# KiCad board ddr5-testboard.kicad_pcb (continued)
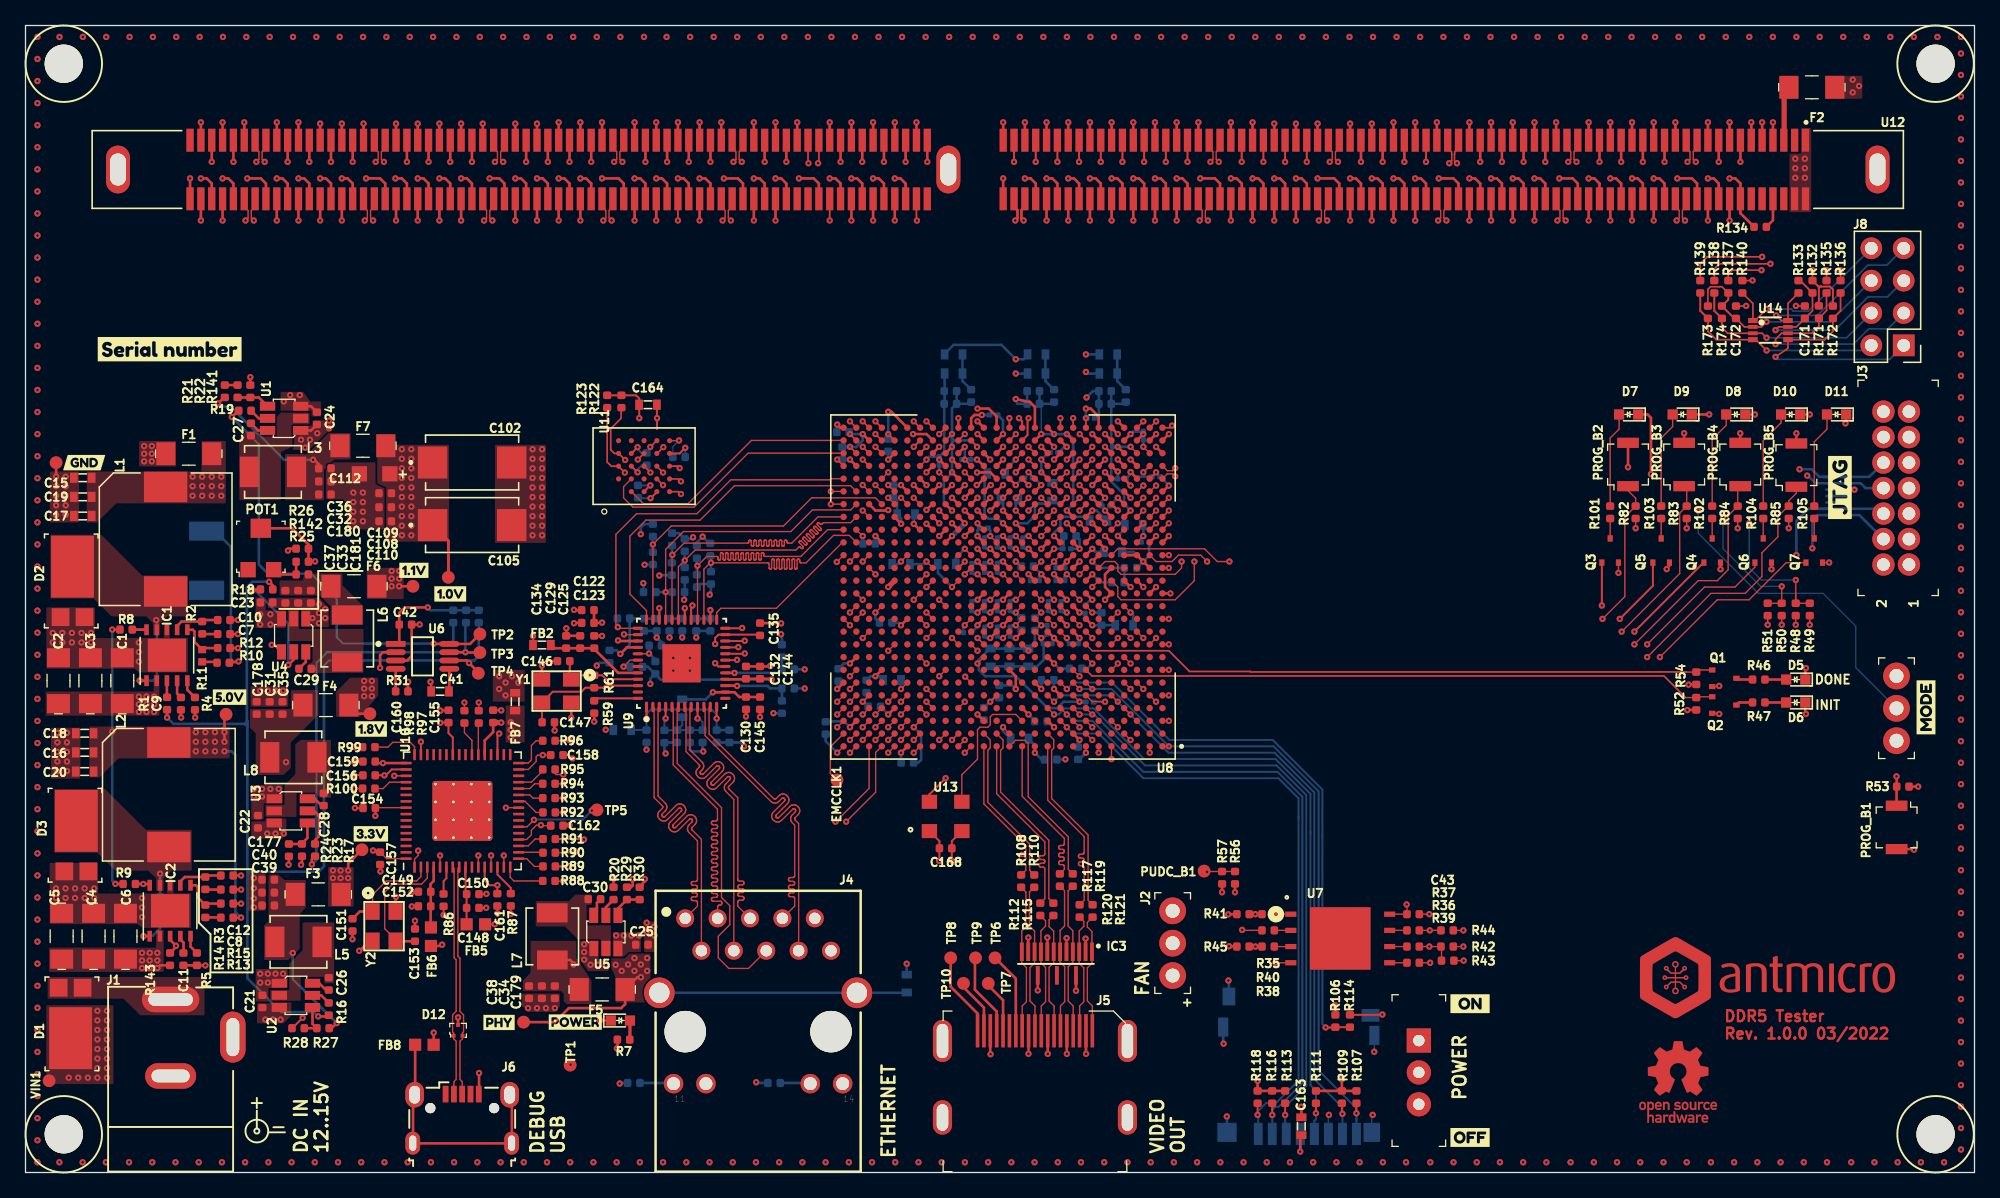
[diagram p0: board, top side]
## Routing (per net, layer and track width the routed paths; a pad name or vN(x,y) marks a point on that pad's centre or on a via; arc(x,y) is an arc through that point) (continued)
DQ7_B: length 57.1
  Top w0.127: U8.AF20 v4(69.64,58.94)
  Top w0.2: U12.254 v4(41.8,74.7)
  In2.Cu w0.127: v4(41.8,74.7) 41.8,74.2 41.8,74.17 41.79,74.14 41.77,74.12 41.75,74.1 41.73,74.09 41.7,74.08 41.67,74.07 41.54,74.07 41.51,74.07 41.48,74.06 41.46,74.05 41.44,74.03 41.42,74 41.41,73.97 41.41,73.95 41.41,73.92 41.42,73.89 41.44,73.87 41.46,73.85 41.48,73.83 41.51,73.82 41.54,73.82 42.06,73.82 42.09,73.82 42.12,73.81 42.14,73.79 42.16,73.77 42.18,73.75 42.19,73.72 42.19,73.69 42.19,73.66 42.18,73.64 42.16,73.61 42.14,73.59 42.12,73.58 42.09,73.57 42.06,73.56 41.54,73.56 41.51,73.56 41.48,73.55 41.46,73.54 41.44,73.52 41.42,73.49 41.41,73.47 41.41,73.44 41.41,73.41 41.42,73.38 41.44,73.36 41.46,73.34 41.48,73.32 41.51,73.31 41.54,73.31 42.06,73.31 42.09,73.31 42.12,73.3 42.14,73.28 42.16,73.26 42.18,73.24 42.19,73.21 42.19,73.18 42.19,73.16 42.18,73.13 42.16,73.1 42.14,73.08 42.12,73.07 42.09,73.06 42.06,73.06 41.54,73.06 41.51,73.05 41.48,73.04 41.46,73.03 41.44,73.01 41.42,72.99 41.41,72.96 41.41,72.93 41.41,72.9 41.42,72.87 41.44,72.85 41.46,72.83 41.48,72.82 41.51,72.81 41.54,72.8 42.06,72.8 42.09,72.8 42.12,72.79 42.14,72.78 42.16,72.76 42.18,72.73 42.19,72.7 42.19,72.68 42.19,72.65 42.18,72.62 42.16,72.6 42.14,72.58 42.12,72.56 42.09,72.55 42.06,72.55 41.54,72.55 41.51,72.55 41.48,72.54 41.46,72.52 41.44,72.5 41.42,72.48 41.41,72.45 41.41,72.42 41.41,72.39 41.42,72.37 41.44,72.34 41.46,72.32 41.48,72.31 41.51,72.3 41.54,72.3 42.06,72.3 42.09,72.29 42.12,72.28 42.14,72.27 42.16,72.25 42.18,72.22 42.19,72.2 42.19,72.17 42.19,72.14 42.18,72.11 42.16,72.09 42.14,72.07 42.12,72.05 42.09,72.04 42.06,72.04 41.54,72.04 41.51,72.04 41.48,72.03 41.46,72.01 41.44,71.99 41.42,71.97 41.41,71.94 41.41,71.91 41.41,71.89 41.42,71.86 41.44,71.83 41.46,71.81 41.48,71.8 41.51,71.79 41.54,71.79 42.06,71.79 42.09,71.78 42.12,71.77 42.14,71.76 42.16,71.74 42.18,71.72 42.19,71.69 42.19,71.66 42.19,71.63 42.18,71.6 42.16,71.58 42.14,71.56 42.12,71.55 42.09,71.54 42.06,71.53 41.54,71.53 41.51,71.53 41.48,71.52 41.46,71.51 41.44,71.49 41.42,71.46 41.41,71.43 41.41,71.41 41.41,71.38 41.42,71.35 41.44,71.33 41.46,71.31 41.48,71.29 41.51,71.28 41.54,71.28 42.06,71.28 42.09,71.28 42.12,71.27 42.14,71.25 42.16,71.23 42.18,71.21 42.19,71.18 42.19,71.15 42.19,71.12 42.18,71.1 42.16,71.07 42.14,71.05 42.12,71.04 42.09,71.03 42.06,71.03 41.54,71.03 41.51,71.02 41.48,71.01 41.46,71 41.44,70.98 41.42,70.95 41.41,70.93 41.41,70.9 41.41,70.87 41.42,70.84 41.44,70.82 41.46,70.8 41.48,70.78 41.51,70.77 41.54,70.77 42.06,70.77 42.09,70.77 42.12,70.76 42.14,70.74 42.16,70.72 42.18,70.7 42.19,70.67 42.19,70.64 42.19,70.62 42.18,70.59 42.16,70.56 42.14,70.54 42.12,70.53 42.09,70.52 42.06,70.52 41.54,70.52 41.51,70.51 41.48,70.5 41.46,70.49 41.44,70.47 41.42,70.45 41.41,70.42 41.41,70.39 41.41,70.36 41.42,70.33 41.44,70.31 41.46,70.29 41.48,70.28 41.51,70.27 41.54,70.26 42.06,70.26 42.09,70.26 42.12,70.25 42.14,70.24 42.16,70.22 42.18,70.19 42.19,70.16 42.19,70.14 42.19,70.11 42.18,70.08 42.16,70.06 42.14,70.04 42.12,70.02 42.09,70.01 42.06,70.01 41.54,70.01 41.51,70.01 41.48,70 41.46,69.98 41.44,69.96 41.42,69.94 41.41,69.91 41.41,69.88 41.41,69.85 41.42,69.83 41.44,69.8 41.46,69.78 41.48,69.77 41.51,69.76 41.54,69.75 42.06,69.75 42.09,69.75 42.12,69.74 42.14,69.73 42.16,69.71 42.18,69.68 42.19,69.66 42.19,69.63 42.19,69.6 42.18,69.57 42.16,69.55 42.14,69.53 42.12,69.51 42.09,69.5 42.06,69.5 41.54,69.5 41.51,69.5 41.48,69.49 41.46,69.47 41.44,69.45 41.42,69.43 41.41,69.4 41.41,69.37 41.41,69.35 41.42,69.32 41.44,69.29 41.46,69.27 41.48,69.26 41.51,69.25 41.54,69.25 42.06,69.25 42.09,69.24 42.12,69.23 42.14,69.22 42.16,69.2 42.18,69.18 42.19,69.15 42.19,69.12 42.19,69.09 42.18,69.06 42.16,69.04 42.14,69.02 42.12,69.01 42.09,69 42.06,68.99 41.93,68.99 41.9,68.99 41.87,68.98 41.85,68.97 41.83,68.95 41.81,68.92 41.8,68.89 41.8,68.87 41.8,63.78 44.64,60.94 68.64,60.94 69.64,59.94 v4(69.64,58.94)
DQ8_A: length 72.7
  Top w0.127: U8.V1 v3(89.64,50.94)
  Top w0.2: U12.18 v3(125.1,79.3)
  In5.Cu w0.127: v3(89.64,50.94) 90.89,50.94 92.64,52.69 116.69,52.69 125.1,61.1 125.1,73.82 125.1,73.85 125.09,73.88 125.07,73.9 125.05,73.92 125.03,73.93 125,73.94 124.97,73.95 124.84,73.95 124.82,73.95 124.79,73.96 124.76,73.97 124.74,73.99 124.73,74.02 124.72,74.05 124.72,74.07 124.72,74.1 124.73,74.13 124.74,74.15 124.76,74.17 124.79,74.19 124.82,74.2 124.84,74.2 125.36,74.2 125.38,74.2 125.41,74.21 125.44,74.23 125.46,74.25 125.47,74.27 125.48,74.3 125.48,74.33 125.48,74.36 125.47,74.38 125.46,74.41 125.44,74.43 125.41,74.44 125.38,74.45 125.36,74.45 124.84,74.45 124.82,74.46 124.79,74.47 124.76,74.48 124.74,74.5 124.73,74.53 124.72,74.55 124.72,74.58 124.72,74.61 124.73,74.64 124.74,74.66 124.76,74.68 124.79,74.7 124.82,74.71 124.84,74.71 125.36,74.71 125.38,74.71 125.41,74.72 125.44,74.74 125.46,74.76 125.47,74.78 125.48,74.81 125.48,74.84 125.48,74.86 125.47,74.89 125.46,74.92 125.44,74.94 125.41,74.95 125.38,74.96 125.36,74.96 124.84,74.96 124.82,74.97 124.79,74.98 124.76,74.99 124.74,75.01 124.73,75.03 124.72,75.06 124.72,75.09 124.72,75.12 124.73,75.15 124.74,75.17 124.76,75.19 124.79,75.2 124.82,75.21 124.84,75.22 125.36,75.22 125.38,75.22 125.41,75.23 125.44,75.24 125.46,75.26 125.47,75.29 125.48,75.32 125.48,75.34 125.48,75.37 125.47,75.4 125.46,75.42 125.44,75.44 125.41,75.46 125.38,75.47 125.36,75.47 124.84,75.47 124.82,75.47 124.79,75.48 124.76,75.5 124.74,75.52 124.73,75.54 124.72,75.57 124.72,75.6 124.72,75.63 124.73,75.65 124.74,75.68 124.76,75.7 124.79,75.71 124.82,75.72 124.84,75.72 125.36,75.72 125.38,75.73 125.41,75.74 125.44,75.75 125.46,75.77 125.47,75.8 125.48,75.82 125.48,75.85 125.48,75.88 125.47,75.91 125.46,75.93 125.44,75.95 125.41,75.97 125.38,75.98 125.36,75.98 124.84,75.98 124.82,75.98 124.79,75.99 124.76,76.01 124.74,76.03 124.73,76.05 124.72,76.08 124.72,76.11 124.72,76.13 124.73,76.16 124.74,76.19 124.76,76.21 124.79,76.22 124.82,76.23 124.84,76.23 125.36,76.23 125.38,76.24 125.41,76.25 125.44,76.26 125.46,76.28 125.47,76.3 125.48,76.33 125.48,76.36 125.48,76.39 125.47,76.42 125.46,76.44 125.44,76.46 125.41,76.47 125.38,76.48 125.36,76.49 124.84,76.49 124.82,76.49 124.79,76.5 124.76,76.51 124.74,76.53 124.73,76.56 124.72,76.59 124.72,76.61 124.72,76.64 124.73,76.67 124.74,76.69 124.76,76.71 124.79,76.73 124.82,76.74 124.84,76.74 125.36,76.74 125.38,76.74 125.41,76.75 125.44,76.77 125.46,76.79 125.47,76.81 125.48,76.84 125.48,76.87 125.48,76.9 125.47,76.92 125.46,76.95 125.44,76.97 125.41,76.98 125.38,76.99 125.36,77 124.84,77 124.82,77 124.79,77.01 124.76,77.02 124.74,77.04 124.73,77.07 124.72,77.09 124.72,77.12 124.72,77.15 124.73,77.18 124.74,77.2 124.76,77.22 124.79,77.24 124.82,77.25 124.84,77.25 125.36,77.25 125.38,77.25 125.41,77.26 125.44,77.28 125.46,77.3 125.47,77.32 125.48,77.35 125.48,77.38 125.48,77.4 125.47,77.43 125.46,77.46 125.44,77.48 125.41,77.49 125.38,77.5 125.36,77.5 124.84,77.5 124.82,77.51 124.79,77.52 124.76,77.53 124.74,77.55 124.73,77.57 124.72,77.6 124.72,77.63 124.72,77.66 124.73,77.69 124.74,77.71 124.76,77.73 124.79,77.74 124.82,77.75 124.84,77.76 125.36,77.76 125.38,77.76 125.41,77.77 125.44,77.78 125.46,77.8 125.47,77.83 125.48,77.86 125.48,77.88 125.48,77.91 125.47,77.94 125.46,77.96 125.44,77.98 125.41,78 125.38,78.01 125.36,78.01 124.84,78.01 124.82,78.01 124.79,78.02 124.76,78.04 124.74,78.06 124.73,78.08 124.72,78.11 124.72,78.14 124.72,78.17 124.73,78.19 124.74,78.22 124.76,78.24 124.79,78.25 124.82,78.26 124.84,78.27 125.36,78.27 125.38,78.27 125.41,78.28 125.44,78.29 125.46,78.31 125.47,78.34 125.48,78.36 125.48,78.39 125.48,78.42 125.47,78.45 125.46,78.47 125.44,78.49 125.41,78.51 125.38,78.52 125.36,78.52 124.84,78.52 124.82,78.52 124.79,78.53 124.76,78.55 124.74,78.57 124.73,78.59 124.72,78.62 124.72,78.65 124.72,78.67 124.73,78.7 124.74,78.73 124.76,78.75 124.79,78.76 124.82,78.77 124.84,78.77 124.97,78.77 125,78.78 125.03,78.79 125.05,78.8 125.07,78.82 125.09,78.84 125.1,78.87 125.1,78.9 v3(125.1,79.3)
DQ8_B: length 61.5
  Top w0.2: U12.111 v1(40.95,79.3) ; v1(76.64,55.94) U8.AC14
  In7.Cu w0.127: v1(76.64,55.94) 77.64,56.94 77.64,59.81 66.26,71.19 41.39,71.19 40.95,71.63 40.95,76.31 40.95,76.34 40.94,76.37 40.92,76.39 40.9,76.41 40.88,76.42 40.85,76.43 40.82,76.44 40.71,76.44 40.68,76.44 40.65,76.45 40.63,76.46 40.61,76.48 40.6,76.51 40.59,76.54 40.58,76.56 40.59,76.59 40.6,76.62 40.61,76.64 40.63,76.66 40.65,76.68 40.68,76.69 40.71,76.69 41.19,76.69 41.22,76.69 41.25,76.7 41.27,76.72 41.29,76.74 41.3,76.76 41.31,76.79 41.32,76.82 41.31,76.85 41.3,76.87 41.29,76.9 41.27,76.92 41.25,76.93 41.22,76.94 41.19,76.94 40.71,76.94 40.68,76.95 40.65,76.96 40.63,76.97 40.61,76.99 40.6,77.02 40.59,77.04 40.58,77.07 40.59,77.1 40.6,77.13 40.61,77.15 40.63,77.17 40.65,77.19 40.68,77.2 40.71,77.2 41.19,77.2 41.22,77.2 41.25,77.21 41.27,77.23 41.29,77.25 41.3,77.27 41.31,77.3 41.32,77.33 41.31,77.35 41.3,77.38 41.29,77.41 41.27,77.43 41.25,77.44 41.22,77.45 41.19,77.45 40.71,77.45 40.68,77.46 40.65,77.47 40.63,77.48 40.61,77.5 40.6,77.52 40.59,77.55 40.58,77.58 40.59,77.61 40.6,77.64 40.61,77.66 40.63,77.68 40.65,77.69 40.68,77.7 40.71,77.71 41.19,77.71 41.22,77.71 41.25,77.72 41.27,77.73 41.29,77.75 41.3,77.78 41.31,77.81 41.32,77.83 41.31,77.86 41.3,77.89 41.29,77.91 41.27,77.93 41.25,77.95 41.22,77.96 41.19,77.96 40.71,77.96 40.68,77.96 40.65,77.97 40.63,77.99 40.61,78.01 40.6,78.03 40.59,78.06 40.58,78.09 40.59,78.12 40.6,78.14 40.61,78.17 40.63,78.19 40.65,78.2 40.68,78.21 40.71,78.22 41.19,78.22 41.22,78.22 41.25,78.23 41.27,78.24 41.29,78.26 41.3,78.29 41.31,78.31 41.32,78.34 41.31,78.37 41.3,78.4 41.29,78.42 41.27,78.44 41.25,78.46 41.22,78.47 41.19,78.47 40.71,78.47 40.68,78.47 40.65,78.48 40.63,78.5 40.61,78.52 40.6,78.54 40.59,78.57 40.58,78.6 40.59,78.62 40.6,78.65 40.61,78.68 40.63,78.7 40.65,78.71 40.68,78.72 40.71,78.72 40.82,78.72 40.85,78.73 40.88,78.74 40.9,78.75 40.92,78.77 40.94,78.79 40.95,78.82 40.95,78.85 v1(40.95,79.3)
DQ9_A: length 72.7
  Top w0.127: U8.W1 v3(89.64,51.94)
  Top w0.2: U12.20 v3(123.4,79.3)
  In5.Cu w0.127: v3(123.4,79.3) 123.4,78.9 123.4,78.87 123.39,78.84 123.37,78.82 123.35,78.8 123.33,78.79 123.3,78.78 123.27,78.77 123.14,78.77 123.11,78.77 123.08,78.76 123.06,78.75 123.04,78.73 123.02,78.7 123.01,78.67 123.01,78.65 123.01,78.62 123.02,78.59 123.04,78.57 123.06,78.55 123.08,78.53 123.11,78.52 123.14,78.52 123.66,78.52 123.69,78.52 123.72,78.51 123.74,78.49 123.76,78.47 123.78,78.45 123.79,78.42 123.79,78.39 123.79,78.36 123.78,78.34 123.76,78.31 123.74,78.29 123.72,78.28 123.69,78.27 123.66,78.27 123.14,78.27 123.11,78.26 123.08,78.25 123.06,78.24 123.04,78.22 123.02,78.19 123.01,78.17 123.01,78.14 123.01,78.11 123.02,78.08 123.04,78.06 123.06,78.04 123.08,78.02 123.11,78.01 123.14,78.01 123.66,78.01 123.69,78.01 123.72,78 123.74,77.98 123.76,77.96 123.78,77.94 123.79,77.91 123.79,77.88 123.79,77.86 123.78,77.83 123.76,77.8 123.74,77.78 123.72,77.77 123.69,77.76 123.66,77.76 123.14,77.76 123.11,77.75 123.08,77.74 123.06,77.73 123.04,77.71 123.02,77.69 123.01,77.66 123.01,77.63 123.01,77.6 123.02,77.57 123.04,77.55 123.06,77.53 123.08,77.52 123.11,77.51 123.14,77.5 123.66,77.5 123.69,77.5 123.72,77.49 123.74,77.48 123.76,77.46 123.78,77.43 123.79,77.4 123.79,77.38 123.79,77.35 123.78,77.32 123.76,77.3 123.74,77.28 123.72,77.26 123.69,77.25 123.66,77.25 123.14,77.25 123.11,77.25 123.08,77.24 123.06,77.22 123.04,77.2 123.02,77.18 123.01,77.15 123.01,77.12 123.01,77.09 123.02,77.07 123.04,77.04 123.06,77.02 123.08,77.01 123.11,77 123.14,77 123.66,77 123.69,76.99 123.72,76.98 123.74,76.97 123.76,76.95 123.78,76.92 123.79,76.9 123.79,76.87 123.79,76.84 123.78,76.81 123.76,76.79 123.74,76.77 123.72,76.75 123.69,76.74 123.66,76.74 123.14,76.74 123.11,76.74 123.08,76.73 123.06,76.71 123.04,76.69 123.02,76.67 123.01,76.64 123.01,76.61 123.01,76.59 123.02,76.56 123.04,76.53 123.06,76.51 123.08,76.5 123.11,76.49 123.14,76.49 123.66,76.49 123.69,76.48 123.72,76.47 123.74,76.46 123.76,76.44 123.78,76.42 123.79,76.39 123.79,76.36 123.79,76.33 123.78,76.3 123.76,76.28 123.74,76.26 123.72,76.25 123.69,76.24 123.66,76.23 123.14,76.23 123.11,76.23 123.08,76.22 123.06,76.21 123.04,76.19 123.02,76.16 123.01,76.13 123.01,76.11 123.01,76.08 123.02,76.05 123.04,76.03 123.06,76.01 123.08,75.99 123.11,75.98 123.14,75.98 123.66,75.98 123.69,75.98 123.72,75.97 123.74,75.95 123.76,75.93 123.78,75.91 123.79,75.88 123.79,75.85 123.79,75.82 123.78,75.8 123.76,75.77 123.74,75.75 123.72,75.74 123.69,75.73 123.66,75.72 123.14,75.72 123.11,75.72 123.08,75.71 123.06,75.7 123.04,75.68 123.02,75.65 123.01,75.63 123.01,75.6 123.01,75.57 123.02,75.54 123.04,75.52 123.06,75.5 123.08,75.48 123.11,75.47 123.14,75.47 123.66,75.47 123.69,75.47 123.72,75.46 123.74,75.44 123.76,75.42 123.78,75.4 123.79,75.37 123.79,75.34 123.79,75.32 123.78,75.29 123.76,75.26 123.74,75.24 123.72,75.23 123.69,75.22 123.66,75.22 123.14,75.22 123.11,75.21 123.08,75.2 123.06,75.19 123.04,75.17 123.02,75.15 123.01,75.12 123.01,75.09 123.01,75.06 123.02,75.03 123.04,75.01 123.06,74.99 123.08,74.98 123.11,74.97 123.14,74.96 123.66,74.96 123.69,74.96 123.72,74.95 123.74,74.94 123.76,74.92 123.78,74.89 123.79,74.86 123.79,74.84 123.79,74.81 123.78,74.78 123.76,74.76 123.74,74.74 123.72,74.72 123.69,74.71 123.66,74.71 123.14,74.71 123.11,74.71 123.08,74.7 123.06,74.68 123.04,74.66 123.02,74.64 123.01,74.61 123.01,74.58 123.01,74.55 123.02,74.53 123.04,74.5 123.06,74.48 123.08,74.47 123.11,74.46 123.14,74.45 123.66,74.45 123.69,74.45 123.72,74.44 123.74,74.43 123.76,74.41 123.78,74.38 123.79,74.36 123.79,74.33 123.79,74.3 123.78,74.27 123.76,74.25 123.74,74.23 123.72,74.21 123.69,74.2 123.66,74.2 123.14,74.2 123.11,74.2 123.08,74.19 123.06,74.17 123.04,74.15 123.02,74.13 123.01,74.1 123.01,74.07 123.01,74.05 123.02,74.02 123.04,73.99 123.06,73.97 123.08,73.96 123.11,73.95 123.14,73.95 123.66,73.95 123.69,73.94 123.72,73.93 123.74,73.92 123.76,73.9 123.78,73.88 123.79,73.85 123.79,73.82 123.79,73.79 123.78,73.76 123.76,73.74 123.74,73.72 123.72,73.71 123.69,73.7 123.66,73.69 123.14,73.69 123.11,73.69 123.08,73.68 123.06,73.67 123.04,73.65 123.02,73.62 123.01,73.59 123.01,73.57 123.01,73.54 123.02,73.51 123.04,73.49 123.06,73.47 123.08,73.45 123.11,73.44 123.14,73.44 123.66,73.44 123.69,73.44 123.72,73.43 123.74,73.41 123.76,73.39 123.78,73.37 123.79,73.34 123.79,73.31 123.79,73.28 123.78,73.26 123.76,73.23 123.74,73.21 123.72,73.2 123.69,73.19 123.66,73.19 123.14,73.19 123.11,73.18 123.08,73.17 123.06,73.16 123.04,73.14 123.02,73.11 123.01,73.09 123.01,73.06 123.01,73.03 123.02,73 123.04,72.98 123.06,72.96 123.08,72.94 123.11,72.93 123.14,72.93 123.27,72.93 123.3,72.93 123.33,72.92 123.35,72.9 123.37,72.88 123.39,72.86 123.4,72.83 123.4,72.8 123.4,62.4 114.69,53.69 91.74,53.69 89.99,51.94 v3(89.64,51.94)
DQ9_B: length 61.5
  Top w0.2: U12.113 v1(39.25,79.3) ; U8.AA14 v1(76.64,53.94)
  In7.Cu w0.127: v1(76.64,53.94) 76.14,54.44 76.14,60.06 66.01,70.19 39.64,70.19 39.25,70.58 39.25,77.33 39.25,77.35 39.24,77.38 39.22,77.41 39.2,77.43 39.18,77.44 39.15,77.45 39.12,77.45 39.04,77.45 39.01,77.46 38.98,77.47 38.96,77.48 38.94,77.5 38.92,77.52 38.91,77.55 38.91,77.58 38.91,77.61 38.92,77.64 38.94,77.66 38.96,77.68 38.98,77.69 39.01,77.7 39.04,77.71 39.46,77.71 39.49,77.71 39.52,77.72 39.54,77.73 39.56,77.75 39.58,77.78 39.59,77.81 39.59,77.83 39.59,77.86 39.58,77.89 39.56,77.91 39.54,77.93 39.52,77.95 39.49,77.96 39.46,77.96 39.04,77.96 39.01,77.96 38.98,77.97 38.96,77.99 38.94,78.01 38.92,78.03 38.91,78.06 38.91,78.09 38.91,78.12 38.92,78.14 38.94,78.17 38.96,78.19 38.98,78.2 39.01,78.21 39.04,78.22 39.46,78.22 39.49,78.22 39.52,78.23 39.54,78.24 39.56,78.26 39.58,78.29 39.59,78.31 39.59,78.34 39.59,78.37 39.58,78.4 39.56,78.42 39.54,78.44 39.52,78.46 39.49,78.47 39.46,78.47 39.04,78.47 39.01,78.47 38.98,78.48 38.96,78.5 38.94,78.52 38.92,78.54 38.91,78.57 38.91,78.6 38.91,78.62 38.92,78.65 38.94,78.68 38.96,78.7 38.98,78.71 39.01,78.72 39.04,78.72 39.12,78.72 39.15,78.73 39.18,78.74 39.2,78.75 39.22,78.77 39.24,78.79 39.25,78.82 39.25,78.85 v1(39.25,79.3)
DQ10_A: length 72.7
  Top w0.127: U8.V2 v3(88.64,50.94)
  Top w0.2: U12.163 v3(124.25,74.7)
  In5.Cu w0.127: v3(124.25,74.7) 124.25,72.95 124.25,72.92 124.24,72.89 124.22,72.87 124.2,72.85 124.18,72.84 124.15,72.83 124.12,72.82 123.93,72.82 123.9,72.82 123.87,72.81 123.85,72.8 123.83,72.78 123.81,72.75 123.8,72.72 123.8,72.7 123.8,72.67 123.81,72.64 123.83,72.62 123.85,72.6 123.87,72.58 123.9,72.57 123.93,72.57 124.57,72.57 124.6,72.57 124.63,72.56 124.65,72.54 124.67,72.52 124.69,72.5 124.7,72.47 124.7,72.44 124.7,72.41 124.69,72.39 124.67,72.36 124.65,72.34 124.63,72.33 124.6,72.32 124.57,72.31 123.93,72.31 123.9,72.31 123.87,72.3 123.85,72.29 123.83,72.27 123.81,72.24 123.8,72.22 123.8,72.19 123.8,72.16 123.81,72.13 123.83,72.11 123.85,72.09 123.87,72.07 123.9,72.06 123.93,72.06 124.57,72.06 124.6,72.06 124.63,72.05 124.65,72.03 124.67,72.01 124.69,71.99 124.7,71.96 124.7,71.93 124.7,71.91 124.69,71.88 124.67,71.85 124.65,71.83 124.63,71.82 124.6,71.81 124.57,71.81 123.93,71.81 123.9,71.8 123.87,71.79 123.85,71.78 123.83,71.76 123.81,71.74 123.8,71.71 123.8,71.68 123.8,71.65 123.81,71.62 123.83,71.6 123.85,71.58 123.87,71.57 123.9,71.56 123.93,71.55 124.57,71.55 124.6,71.55 124.63,71.54 124.65,71.53 124.67,71.51 124.69,71.48 124.7,71.45 124.7,71.43 124.7,71.4 124.69,71.37 124.67,71.35 124.65,71.33 124.63,71.31 124.6,71.3 124.57,71.3 123.93,71.3 123.9,71.3 123.87,71.29 123.85,71.27 123.83,71.25 123.81,71.23 123.8,71.2 123.8,71.17 123.8,71.14 123.81,71.12 123.83,71.09 123.85,71.07 123.87,71.06 123.9,71.05 123.93,71.05 124.57,71.05 124.6,71.04 124.63,71.03 124.65,71.02 124.67,71 124.69,70.97 124.7,70.95 124.7,70.92 124.7,70.89 124.69,70.86 124.67,70.84 124.65,70.82 124.63,70.8 124.6,70.79 124.57,70.79 123.93,70.79 123.9,70.79 123.87,70.78 123.85,70.76 123.83,70.74 123.81,70.72 123.8,70.69 123.8,70.66 123.8,70.64 123.81,70.61 123.83,70.58 123.85,70.56 123.87,70.55 123.9,70.54 123.93,70.54 124.57,70.54 124.6,70.53 124.63,70.52 124.65,70.51 124.67,70.49 124.69,70.47 124.7,70.44 124.7,70.41 124.7,70.38 124.69,70.35 124.67,70.33 124.65,70.31 124.63,70.3 124.6,70.29 124.57,70.28 123.93,70.28 123.9,70.28 123.87,70.27 123.85,70.26 123.83,70.24 123.81,70.21 123.8,70.18 123.8,70.16 123.8,70.13 123.81,70.1 123.83,70.08 123.85,70.06 123.87,70.04 123.9,70.03 123.93,70.03 124.57,70.03 124.6,70.03 124.63,70.02 124.65,70 124.67,69.98 124.69,69.96 124.7,69.93 124.7,69.9 124.7,69.87 124.69,69.85 124.67,69.82 124.65,69.8 124.63,69.79 124.6,69.78 124.57,69.78 123.93,69.78 123.9,69.77 123.87,69.76 123.85,69.75 123.83,69.73 123.81,69.7 123.8,69.68 123.8,69.65 123.8,69.62 123.81,69.59 123.83,69.57 123.85,69.55 123.87,69.53 123.9,69.52 123.93,69.52 124.57,69.52 124.6,69.52 124.63,69.51 124.65,69.49 124.67,69.47 124.69,69.45 124.7,69.42 124.7,69.39 124.7,69.37 124.69,69.34 124.67,69.31 124.65,69.29 124.63,69.28 124.6,69.27 124.57,69.27 123.93,69.27 123.9,69.26 123.87,69.25 123.85,69.24 123.83,69.22 123.81,69.2 123.8,69.17 123.8,69.14 123.8,69.11 123.81,69.08 123.83,69.06 123.85,69.04 123.87,69.03 123.9,69.02 123.93,69.01 124.57,69.01 124.6,69.01 124.63,69 124.65,68.99 124.67,68.97 124.69,68.94 124.7,68.91 124.7,68.89 124.7,68.86 124.69,68.83 124.67,68.81 124.65,68.79 124.63,68.77 124.6,68.76 124.57,68.76 123.93,68.76 123.9,68.76 123.87,68.75 123.85,68.73 123.83,68.71 123.81,68.69 123.8,68.66 123.8,68.63 123.8,68.6 123.81,68.58 123.83,68.55 123.85,68.53 123.87,68.52 123.9,68.51 123.93,68.5 124.57,68.5 124.6,68.5 124.63,68.49 124.65,68.48 124.67,68.46 124.69,68.43 124.7,68.41 124.7,68.38 124.7,68.35 124.69,68.32 124.67,68.3 124.65,68.28 124.63,68.26 124.6,68.25 124.57,68.25 123.93,68.25 123.9,68.25 123.87,68.24 123.85,68.22 123.83,68.2 123.81,68.18 123.8,68.15 123.8,68.12 123.8,68.1 123.81,68.07 123.83,68.04 123.85,68.02 123.87,68.01 123.9,68 123.93,68 124.57,68 124.6,67.99 124.63,67.98 124.65,67.97 124.67,67.95 124.69,67.93 124.7,67.9 124.7,67.87 124.7,67.84 124.69,67.81 124.67,67.79 124.65,67.77 124.63,67.76 124.6,67.75 124.57,67.74 123.93,67.74 123.9,67.74 123.87,67.73 123.85,67.72 123.83,67.7 123.81,67.67 123.8,67.64 123.8,67.62 123.8,67.59 123.81,67.56 123.83,67.54 123.85,67.52 123.87,67.5 123.9,67.49 123.93,67.49 124.57,67.49 124.6,67.49 124.63,67.48 124.65,67.46 124.67,67.44 124.69,67.42 124.7,67.39 124.7,67.36 124.7,67.33 124.69,67.31 124.67,67.28 124.65,67.26 124.63,67.25 124.6,67.24 124.57,67.23 124.38,67.23 124.35,67.23 124.32,67.22 124.3,67.21 124.28,67.19 124.26,67.16 124.25,67.14 124.25,67.11 124.25,61.75 115.69,53.19 92.14,53.19 90.39,51.44 89.14,51.44 v3(88.64,50.94)
DQ10_B: length 61.5
  Top w0.2: U12.256 v1(40.1,74.7) ; U8.AD14 v1(76.64,56.94)
  In7.Cu w0.127: v1(76.64,56.94) 77.14,57.44 77.14,59.69 66.14,70.69 43.43,70.69 43.4,70.69 43.37,70.7 43.35,70.72 43.33,70.74 43.31,70.76 43.3,70.79 43.3,70.84 43.29,70.87 43.27,70.89 43.25,70.91 43.23,70.93 43.2,70.94 43.18,70.94 43.17,70.94 43.14,70.94 43.12,70.93 43.09,70.91 43.07,70.89 43.06,70.87 43.05,70.84 43.05,70.81 43.05,70.56 43.04,70.54 43.03,70.51 43.02,70.49 43,70.47 42.98,70.45 42.95,70.44 42.92,70.44 42.92,70.44 42.89,70.44 42.86,70.45 42.84,70.47 42.82,70.49 42.81,70.51 42.8,70.54 42.79,70.56 42.79,70.81 42.79,70.84 42.78,70.87 42.77,70.89 42.75,70.91 42.72,70.93 42.7,70.94 42.67,70.94 42.66,70.94 42.64,70.94 42.61,70.93 42.59,70.91 42.57,70.89 42.55,70.87 42.54,70.84 42.54,70.81 42.54,70.56 42.54,70.54 42.53,70.51 42.51,70.49 42.49,70.47 42.47,70.45 42.44,70.44 42.41,70.44 42.41,70.44 42.38,70.44 42.36,70.45 42.33,70.47 42.31,70.49 42.3,70.51 42.29,70.54 42.29,70.56 42.29,70.81 42.28,70.84 42.27,70.87 42.26,70.89 42.24,70.91 42.21,70.93 42.19,70.94 42.16,70.94 42.16,70.94 42.13,70.94 42.1,70.93 42.08,70.91 42.06,70.89 42.04,70.87 42.03,70.84 42.03,70.81 42.03,70.56 42.03,70.54 42.02,70.51 42,70.49 41.98,70.47 41.96,70.45 41.93,70.44 41.91,70.44 41.9,70.44 41.87,70.44 41.85,70.45 41.82,70.47 41.8,70.49 41.79,70.51 41.78,70.54 41.78,70.56 41.78,70.81 41.77,70.84 41.76,70.87 41.75,70.89 41.73,70.91 41.71,70.93 41.68,70.94 41.65,70.94 41.65,70.94 41.62,70.94 41.59,70.93 41.57,70.91 41.55,70.89 41.54,70.87 41.53,70.84 41.52,70.81 41.52,70.56 41.52,70.54 41.51,70.51 41.5,70.49 41.48,70.47 41.45,70.45 41.43,70.44 41.4,70.44 41.39,70.44 41.37,70.44 41.34,70.45 41.32,70.47 41.3,70.49 41.28,70.51 41.27,70.54 41.27,70.56 41.27,70.91 41.27,70.94 41.26,70.97 41.24,70.99 41.22,71.01 41.2,71.03 41.17,71.04 41.14,71.04 41.11,71.04 41.09,71.03 41.06,71.01 41.04,70.99 41.03,70.97 41.02,70.94 41.02,70.91 41.02,70.56 41.01,70.54 41,70.51 40.99,70.49 40.97,70.47 40.94,70.45 40.92,70.44 40.89,70.44 40.89,70.44 40.86,70.44 40.83,70.45 40.81,70.47 40.79,70.49 40.77,70.51 40.76,70.54 40.76,70.59 40.75,70.62 40.73,70.64 40.71,70.66 40.69,70.68 40.66,70.69 40.64,70.69 40.1,71.23 40.1,71.51 40.1,71.53 40.11,71.56 40.13,71.59 40.15,71.61 40.17,71.62 40.2,71.63 40.23,71.63 40.37,71.63 40.4,71.64 40.43,71.65 40.45,71.66 40.47,71.68 40.49,71.7 40.5,71.73 40.5,71.76 40.5,71.79 40.49,71.82 40.47,71.84 40.45,71.86 40.43,71.87 40.4,71.88 40.37,71.89 39.83,71.89 39.8,71.89 39.77,71.9 39.75,71.91 39.73,71.93 39.71,71.96 39.7,71.99 39.7,72.01 39.7,72.04 39.71,72.07 39.73,72.09 39.75,72.11 39.77,72.13 39.8,72.14 39.83,72.14 40.37,72.14 40.4,72.14 40.43,72.15 40.45,72.17 40.47,72.19 40.49,72.21 40.5,72.24 40.5,72.27 40.5,72.3 40.49,72.32 40.47,72.35 40.45,72.37 40.43,72.38 40.4,72.39 40.37,72.4 39.83,72.4 39.8,72.4 39.77,72.41 39.75,72.42 39.73,72.44 39.71,72.47 39.7,72.49 39.7,72.52 39.7,72.55 39.71,72.58 39.73,72.6 39.75,72.62 39.77,72.64 39.8,72.65 39.83,72.65 40.37,72.65 40.4,72.65 40.43,72.66 40.45,72.68 40.47,72.7 40.49,72.72 40.5,72.75 40.5,72.78 40.5,72.8 40.49,72.83 40.47,72.86 40.45,72.88 40.43,72.89 40.4,72.9 40.37,72.9 39.83,72.9 39.8,72.91 39.77,72.92 39.75,72.93 39.73,72.95 39.71,72.97 39.7,73 39.7,73.03 39.7,73.06 39.71,73.09 39.73,73.11 39.75,73.13 39.77,73.14 39.8,73.15 39.83,73.16 40.37,73.16 40.4,73.16 40.43,73.17 40.45,73.18 40.47,73.2 40.49,73.23 40.5,73.26 40.5,73.28 40.5,73.31 40.49,73.34 40.47,73.36 40.45,73.38 40.43,73.4 40.4,73.41 40.37,73.41 39.83,73.41 39.8,73.41 39.77,73.42 39.75,73.44 39.73,73.46 39.71,73.48 39.7,73.51 39.7,73.54 39.7,73.57 39.71,73.59 39.73,73.62 39.75,73.64 39.77,73.65 39.8,73.66 39.83,73.66 40.37,73.66 40.4,73.67 40.43,73.68 40.45,73.69 40.47,73.71 40.49,73.74 40.5,73.76 40.5,73.79 40.5,73.82 40.49,73.85 40.47,73.87 40.45,73.89 40.43,73.91 40.4,73.92 40.37,73.92 39.83,73.92 39.8,73.92 39.77,73.93 39.75,73.95 39.73,73.97 39.71,73.99 39.7,74.02 39.7,74.05 39.7,74.07 39.71,74.1 39.73,74.13 39.75,74.15 39.77,74.16 39.8,74.17 39.83,74.17 39.97,74.17 40,74.18 40.03,74.19 40.05,74.2 40.07,74.22 40.09,74.24 40.1,74.27 40.1,74.3 v1(40.1,74.7)
